# KiCad board handheld.kicad_pcb (continued)
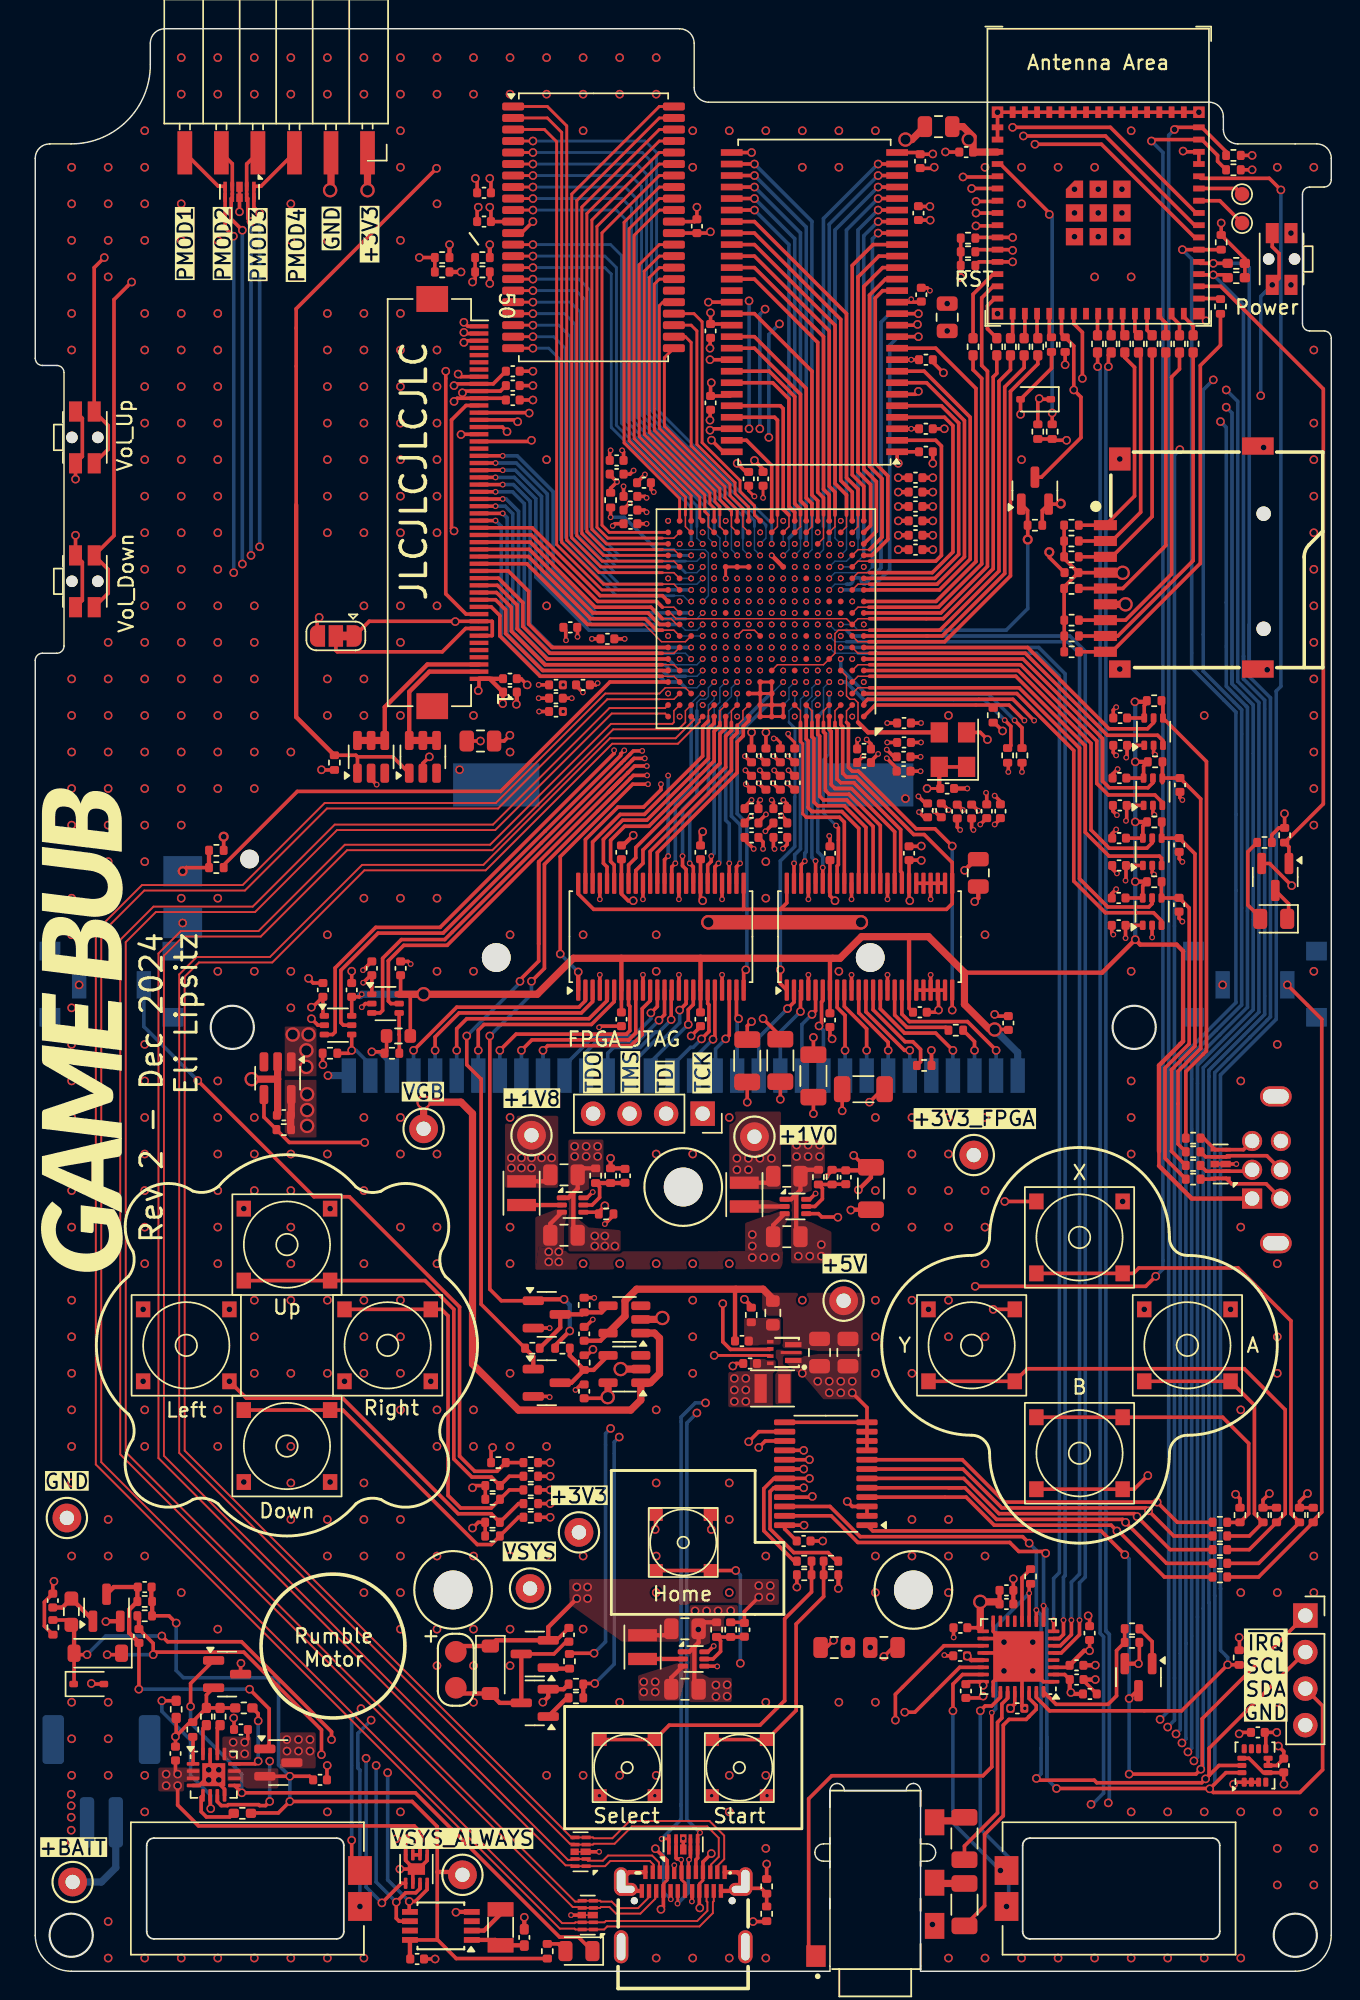
[diagram p0: board, top side]
## Placement (name value [footprint] x y rotation side) (continued)
U1402  IS61WV25616BLL-10TLI  [TSOP-II-44_10.16x18.41mm_P0.8mm]  38.81 121.2 0 top
U1501  LSM6DS3TR-C  [LGA-14_3x2.5mm_P0.5mm_LayoutBorder3x4y]  84.8 14.3 90 top
U1502  PCF8563T  [TSSOP-8_3x3mm_P0.65mm]  28.2 3.15 180 top
U1601  TCA9535PWR  [TSSOP-24_4.4x7.8mm_P0.65mm]  54.96 34.58 180 top
U1701  TLV320DAC3101  [VQFN-32-1EP_5x5mm_P0.5mm_EP3.5x3.5mm]  68.35 21.87 180 top
U1801  AP2191W  [SOT-23-5]  40.96 45.3 180 top
U1802  AP2191W  [SOT-23-5]  40.96 41.85 180 top
U1901  74LVC1T45  [SOT-363_SC-70-6]  24.35 67.25 0 top
U1902  74LVCH16T245  [TSSOP-48_6.1x12.5mm_P0.5mm]  43.5 71.9 90 top
U1903  74LVC1T45  [SOT-363_SC-70-6]  21.05 65.75 0 top
U1904  74LVCH16T245  [TSSOP-48_6.1x12.5mm_P0.5mm]  58 71.9 90 top
U2001  74LVC1T45  [SOT-363_SC-70-6]  77.65 73.64 90 top
U2002  74LVC1T45  [SOT-363_SC-70-6]  77.71 81.97 90 top
U2003  74LVC1T45  [SOT-363_SC-70-6]  77.66 77.8 90 top
U2004  74LVC1T45  [SOT-363_SC-70-6]  77.75 86.15 90 top
X701  YSO110TR 50MHz  [Oscillator_SMD_SeikoEpson_SG8002CE-4Pin_3.2x2.5mm]  63.8 84.9 90 top
Y1501  32.768kHz  [Crystal_SMD_3215-2Pin_3.2x1.5mm]  32.35 3.05 270 top

## Library data of the parts
C201 C206 C314 C401 C403 C702 C1301-C1305 C1401-C1407 C1410 C1411 C1501-C1504 C1601 C1702 C1704 C1706 C1708 C1710 C1712 C1801 C1802 C1901-C1913 C2004-C2011 = -: LCSC: C1525; ki_fp_filters: C_*
C202-C204 C605-C610 C623 C624 C805 C806 C905 C906 C1105 C1106 C1205 C1206 = -: LCSC: C23733; ki_fp_filters: C_*
C205 C304 C1408 C1409 C1701 C1703 C1709 C1711 = -: LCSC: C15525; ki_fp_filters: C_*
C207 = -: LCSC: C52923; ki_fp_filters: C_*
C301 C302 C308 C309 C311 C312 C622 C629 C701 = -: LCSC: C16780; ki_fp_filters: C_*
C303 C310 C313 C1505 = -: LCSC: C1555; ki_fp_filters: C_*
C305 = -: LCSC: C1537; ki_fp_filters: C_*
C306 C307 C402 C1705 C1707 = -: LCSC: C45783; ki_fp_filters: C_*
C601-C604 C619 C1713 C1714 = -: LCSC: C15008; ki_fp_filters: C_*
C611-C618 C620 C621 C625-C628 C801-C804 C901-C904 C1101-C1104 C1201-C1204 = -: LCSC: C47339; ki_fp_filters: C_*
C2001-C2003 = -: LCSC: C1546; ki_fp_filters: C_*
D201 = -: Color: Yellow; LCSC: C2296; ki_fp_filters: LED* LED_SMD:* LED_THT:*
D202 D203 = -: LCSC: C191023; V_forward: 0.60V; ki_fp_filters: TO-???* *_Diode_* *SingleDiode* D_*
D204 D1501 = -: Datasheet: https://www.vishay.com/docs/85748/1n4148w.pdf; LCSC: C81598; Sim.Device: D; Sim.Pins: 1=K 2=A; ki_fp_filters: D*SOD?123*
D401 = -: Color: Green; LCSC: C2297; ki_fp_filters: LED* LED_SMD:* LED_THT:*
D501-D503 D801 D2001 = -: Datasheet: https://datasheet.lcsc.com/lcsc/2306301553_hongjiacheng-H5VU25U_C7420374.pdf; LCSC: C7420374; ki_fp_filters: SOT?416*
H101-H103 = -: ki_fp_filters: MountingHole*
J201 J401 J701 J801 J1501 = -: ki_fp_filters: Connector*:*_1x??_*
J402 = -: Datasheet: https://datasheet.lcsc.com/lcsc/2306141351_G-Switch-GT-TF003-H0185-02_C5155564.pdf; LCSC: C5155564; ki_fp_filters: microSD*
J501 = -: Datasheet: https://www.usb.org/sites/default/files/documents/usb_type-c.zip; Description: USB Full-Featured Type-C Receptacle connector; LCSC: C2681555; ki_fp_filters: USB*C*Receptacle*
J1301 = -: LCSC: C598003; Field5: Pin numbers are reversed from Hirose datasheet.
J1701 J1702 = -: LCSC: C160402; ki_fp_filters: Connector*:*_1x??_*
J1703 = -: ki_fp_filters: Jack*
J1901 = -: Author: gekkio; ki_fp_filters: GameBoy?Cartridge*P1.50mm*
J2001 = -: Author: gekkio; ki_fp_filters: GameBoy?LinkPort*
JP1301 = -: ki_fp_filters: SolderJumper*Bridged12*
L301-L304 = -: LCSC: C98348; ki_fp_filters: Choke_* *Coil* Inductor_* L_*
Q201 Q203 Q401 Q1201 Q1502 Q1701 Q1801 Q1802 = -: Datasheet: http://www.aosmd.com/pdfs/datasheet/AO3400A.pdf; Description: 30V Vds, 5.7A Id, N-Channel MOSFET, SOT-23; LCSC: C20917; ki_fp_filters: SOT?23*
Q202 Q1501 = -: Datasheet: http://www.aosmd.com/pdfs/datasheet/AO3401A.pdf; Description: -4.0A Id, -30V Vds, P-Channel MOSFET, SOT-23; LCSC: C15127; ki_fp_filters: SOT?23*
R201 R2005-R2007 = -: LCSC: C25792; ki_fp_filters: R_*
R202 R203 R402 R406 R408-R411 R413-R419 = -: LCSC: C17168; ki_fp_filters: R_*
R204 R209 R301 R401 R403 R420-R427 R1203 R1301 R1501 R1504 R1601-R1630 R1704 R1801 R1803-R1805 = -: LCSC: C25744; ki_fp_filters: R_*
R205 = -: LCSC: C25860; ki_fp_filters: R_*
R206 R213 R801 R1502 R1503 R1702 = -: LCSC: C11702; ki_fp_filters: R_*
R207 R407 R1703 = -: LCSC: C25879; ki_fp_filters: R_*
R208 R210 R211 R303 R305 R311 R412 R1701 R1802 R1806 R1903 = -: LCSC: C25741; ki_fp_filters: R_*
R212 = -: LCSC: C23178; ki_fp_filters: R_*
R302 R308 R310 = -: LCSC: C25756; ki_fp_filters: R_*
R304 = -: LCSC: C22961; ki_fp_filters: R_*
R306 R307 R2008 = -: LCSC: C25776; ki_fp_filters: R_*
R309 = -: LCSC: C36871; ki_fp_filters: R_*
R404 R405 = -: LCSC: C25890; ki_fp_filters: R_*
R501 R502 = -: LCSC: C25905; ki_fp_filters: R_*
R701-R703 = -: LCSC: C25900; ki_fp_filters: R_*
R1201 R1202 R2001-R2004 = -: LCSC: C25104; ki_fp_filters: R_*
R1901 R1902 R1905 = -: LCSC: C25120; ki_fp_filters: R_*
R1904 = -: LCSC: C22967; ki_fp_filters: R_*
SW201 SW1614 SW1615 = -: LCSC: C115361
SW1601-SW1608 = -: LCSC: C97437
SW1609-SW1611 = -: LCSC: C115356
TP201-TP203 TP301-TP306 TP401 TP402 TP1801 = -: ki_fp_filters: Pin* Test*
U201 = -: Datasheet: https://www.analog.com/media/en/technical-documentation/data-sheets/MAX17048-MAX17049.pdf; LCSC: C2682616; ki_fp_filters: Maxim*WLP*1.595x1.415*Layout3x3*P0.4mm*
U202 = -: Datasheet: http://www.ti.com/lit/ds/symlink/bq24073.pdf; LCSC: C15220; ki_fp_filters: VQFN*1EP*3x3mm*P0.5mm*
U301 U303 U304 = -: Datasheet: https://www.ti.com/lit/ds/symlink/tlv62585.pdf; LCSC: C485118; ki_fp_filters: SOT?23*
U302 = -: Datasheet: https://www.ti.com/lit/ds/symlink/tps61022.pdf; LCSC: C915088; ki_fp_filters: WSON*1EP*2x2mm*P0.65mm*
U305 U1801 U1802 = -: Datasheet: https://www.diodes.com/assets/Datasheets/AP2181_91.pdf; LCSC: C141321; ki_fp_filters: SOT?23*
U401 = -: Datasheet: https://www.espressif.com/sites/default/files/documentation/esp32-s3-mini-1_mini-1u_datasheet_en.pdf; Description: Smallsized module supporting 2.4 GHz WiFi (802.11 b/g/n) and Bluetooth ® 5 (LE) Built around ESP32S3 series of SoCs, Xtensa ® dualcore 32bit LX7 microprocessor Flash up to 8 MB, optional 2 MB PSRAM in chip package 39 GPIOs, rich set of peripherals Onboard PCB antenna or external antenna connector; LCSC: C2913206
U601 = -: Datasheet: https://www.xilinx.com/support/documentation/data_sheets/ds180_7Series_Overview.pdf; LCSC: C1521791; ki_fp_filters: Xilinx*CSG324*
U1301 U1302 = -: Datasheet: https://www.diodes.com/assets/Datasheets/AP2502.pdf; LCSC: C460349
U1401 = -: Datasheet: https://www.winbond.com/resource-files/w9825g6kh_a04.pdf; LCSC: C62246; ki_fp_filters: TSOP?II*22.2x10.16mm*P0.8mm*
U1402 = -: Datasheet: https://www.issi.com/WW/pdf/61-64WV25616EDBLL.pdf; LCSC: C53825; ki_fp_filters: TSOP*10.16x18.41mm*P0.8mm*
U1501 = -: Datasheet: https://www.st.com/resource/en/datasheet/lsm6ds3tr-c.pdf; LCSC: C967633; ki_fp_filters: LGA*3x2.5mm*P0.5mm*LayoutBorder3x4y*
U1502 = -: Datasheet: https://www.nxp.com/docs/en/data-sheet/PCF8563.pdf; LCSC: C27397; ki_fp_filters: SOIC*3.9x4.9mm*P1.27mm*
U1601 = -: Datasheet: http://www.ti.com/lit/ds/symlink/tca9535.pdf; LCSC: C130204; ki_fp_filters: TSSOP*4.4x7.8mm*P0.65mm*
U1701 = -: Datasheet: https://www.ti.com/lit/ds/symlink/tlv320dac3101.pdf; LCSC: C2651664
U1901 U1903 U2001-U2004 = -: Datasheet: http://www.ti.com/lit/ds/symlink/sn74lvc1t45.pdf; LCSC: C168855; ki_fp_filters: *SC?70*
U1902 U1904 = -: Datasheet: https://www.ti.com/lit/ds/symlink/sn74lvch16t245.pdf; LCSC: C352975
X701 = -: Datasheet: https://www.yxcxtal.com/product/yso110tr.html; LCSC: C5203552; ki_fp_filters: Oscillator*Abracon*ASCO*1.6x1.2mm*
Y1501 = -: LCSC: C32346; Load capacitance: 12.5 pF; ki_fp_filters: Crystal*

## Footprints (pads in the part's own frame, mm; a bottom-side part is the same pattern mirrored in y, then rotated)
C_0402_1005Metric
  rrect 0.56x0.62 smd: 1(-0.48,0) 2(0.48,0)
C_0402_1005Metric_Pad0.74x0.62mm_HandSolder
  rrect 0.735x0.62 smd: 1(-0.568,0) 2(0.568,0)
C_0805_2012Metric
  rrect 1x1.45 smd: 1(-0.95,0) 2(0.95,0)
C_1206_3216Metric
  rrect 1.15x1.8 smd: 1(-1.475,0) 2(1.475,0)
Crystal_SMD_3215-2Pin_3.2x1.5mm
  rect 1x1.8 smd: 1(1.25,0) 2(-1.25,0)
D_SOD-123
  rrect 0.9x1.2 smd: 1(-1.65,0) 2(1.65,0)
D_SOD-323
  rrect 0.6x0.45 smd: 1(-1.05,0) 2(1.05,0)
Diodes_UDFN-10_1.0x2.5mm_P0.5mm
  rect 0.625x0.25 smd: 1(-0.388,1) 2(-0.388,0.5) 4(-0.388,-0.5) 5(-0.388,-1) 6(0.388,-1) 7(0.388,-0.5) 9(0.388,0.5) 10(0.388,1)
  rect 0.7x0.45 smd: 3(-0.35,0)
  rect 0.575x0.45 smd: 8(0.412,0)
ESP32-S3-MINI-1
  rect 0.8x0.4 smd: 1(-7,5.95) 2(-7,5.1) 3(-7,4.25) 4(-7,3.4) 5(-7,2.55) 6(-7,1.7) 7(-7,0.85) 8(-7,0) 9(-7,-0.85) 10(-7,-1.7) 11(-7,-2.55) 12(-7,-3.4) 13(-7,-4.25) 14(-7,-5.1) 15(-7,-5.95) 31(7,-5.95) 32(7,-5.1) 33(7,-4.25) 34(7,-3.4) 35(7,-2.55) 36(7,-1.7) 37(7,-0.85) 38(7,0) 39(7,0.85) 40(7,1.7) 41(7,2.55) 42(7,3.4) 43(7,4.25) 44(7,5.1) 45(7,5.95)
  rect 0.4x0.8 smd: 16(-5.95,-7) 17(-5.1,-7) 18(-4.25,-7) 19(-3.4,-7) 20(-2.55,-7) 21(-1.7,-7) 22(-0.85,-7) 23(0,-7) 24(0.85,-7) 25(1.7,-7) 26(2.55,-7) 27(3.4,-7) 28(4.25,-7) 29(5.1,-7) 30(5.95,-7) 46(5.95,7) 47(5.1,7) 48(4.25,7) 49(3.4,7) 50(2.55,7) 51(1.7,7) 52(0.85,7) 53(0,7) 54(-0.85,7) 55(-1.7,7) 56(-2.55,7) 57(-3.4,7) 58(-4.25,7) 59(-5.1,7) 60(-5.95,7)
  custom 1.2x1.2 smd: 61(-1.65,1.65)
  rect 1.2x1.2 smd: 61(-1.65,0) 61(-1.65,-1.65) 61(0,1.65) 61(0,0) 61(0,-1.65) 61(1.65,1.65) 61(1.65,0) 61(1.65,-1.65)
  rect 0.8x0.8 smd: 62(-7,7) 63(-7,-7) 64(7,-7) 65(7,7)
GameBoy_Cartridge_AGS_1x32-1MP_P1.50mm_Socket_Horizontal
  round 2 hole 2 unplated: (-13,-2.05) (13,-2.05)
  rect 1x2.4 smd: 1(-23.25,-10.25) 2(-21.75,-10.25) 3(-20.25,-10.25) 4(-18.75,-10.25) 5(-17.25,-10.25) 6(-15.75,-10.25) 7(-14.25,-10.25) 8(-12.75,-10.25) 9(-11.25,-10.25) 10(-9.75,-10.25) 11(-8.25,-10.25) 12(-6.75,-10.25) 13(-5.25,-10.25) 14(-3.75,-10.25) 15(-2.25,-10.25) 16(-0.75,-10.25) 17(0.75,-10.25) 18(2.25,-10.25) 19(3.75,-10.25) 20(5.25,-10.25) 21(6.75,-10.25) 22(8.25,-10.25) 23(9.75,-10.25) 24(11.25,-10.25) 25(12.75,-10.25) 26(14.25,-10.25) 27(15.75,-10.25) 28(17.25,-10.25) 29(18.75,-10.25) 30(20.25,-10.25) 31(21.75,-10.25) 32(23.25,-10.25)
  rect 6x3 smd: MP(-13,9.95) MP(13,9.95)
GameBoy_LinkPort_AGB_Horizontal
  rect 1.4x1.4 hole 1: 1(0,0)
  round 1.4 hole 1: 2(2,0) 3(0,-2) 4(2,-2) 5(0,-4) 6(2,-4)
  oval 2.2x1.4 hole 1.8x1: SH(1.651,-7.1) SH(1.651,3.1)
Hirose_FH12S-50S-0.5SH_1x50-1MP_P0.50mm_Horizontal_FLIPPED
  rect 0.3x1.3 smd: 1(12.25,1.85) 2(11.75,1.85) 3(11.25,1.85) 4(10.75,1.85) 5(10.25,1.85) 6(9.75,1.85) 7(9.25,1.85) 8(8.75,1.85) 9(8.25,1.85) 10(7.75,1.85) 11(7.25,1.85) 12(6.75,1.85) 13(6.25,1.85) 14(5.75,1.85) 15(5.25,1.85) 16(4.75,1.85) 17(4.25,1.85) 18(3.75,1.85) 19(3.25,1.85) 20(2.75,1.85) 21(2.25,1.85) 22(1.75,1.85) 23(1.25,1.85) 24(0.75,1.85) 25(0.25,1.85) 26(-0.25,1.85) 27(-0.75,1.85) 28(-1.25,1.85) 29(-1.75,1.85) 30(-2.25,1.85) 31(-2.75,1.85) 32(-3.25,1.85) 33(-3.75,1.85) 34(-4.25,1.85) 35(-4.75,1.85) 36(-5.25,1.85) 37(-5.75,1.85) 38(-6.25,1.85) 39(-6.75,1.85) 40(-7.25,1.85) 41(-7.75,1.85) 42(-8.25,1.85) 43(-8.75,1.85) 44(-9.25,1.85) 45(-9.75,1.85) 46(-10.25,1.85) 47(-10.75,1.85) 48(-11.25,1.85) 49(-11.75,1.85) 50(-12.25,1.85)
  rect 1.8x2.2 smd: MP(-14.15,-1.4) MP(14.15,-1.4)
Jack_3.5mm_CUI_SJ-43614-SMT
  rect 1.8x1.35 smd: R1(-0.2,-4.125) R2(-3.2,-4.125) T(4,-4.125)
  rect 1.5x1.35 smd: S(-5.3,4.125)
JJOV0UL650NONPRBK_SIDE
  round 1.3 hole 1.3 unplated: (7.3,1.3)
  rect 2.1x2.7 smd: 1(6.45,-3.35) 2(2.85,-3.35)
JST_PH_S2B-PH-SM4-TB_1x02-1MP_P2.00mm_Horizontal
  rrect 1x3.5 smd: 1(-1,2.85) 2(1,2.85)
  rrect 1.5x3.4 smd: MP(-3.35,-2.9) MP(3.35,-2.9)
L_Sunlord_SWPA252012S
  rect 0.85x2 smd: 1(-0.825,0) 2(0.825,0)
LED_0805_2012Metric
  rrect 0.975x1.4 smd: 1(-0.938,0) 2(0.938,0)
LGA-14_3x2.5mm_P0.5mm_LayoutBorder3x4y
  rrect 0.625x0.35 smd: 1(-1.163,0.75) 2(-1.163,0.25) 3(-1.163,-0.25) 4(-1.163,-0.75) 8(1.163,-0.75) 9(1.163,-0.25) 10(1.163,0.25) 11(1.163,0.75)
  rrect 0.35x0.625 smd: 5(-0.5,-0.912) 6(0,-0.912) 7(0.5,-0.912) 12(0.5,0.912) 13(0,0.912) 14(-0.5,0.912)
microSD_G-Switch_GT-TF003-H0185-02
  round 1 hole 1 unplated: (-4.95,-5.7) (3.05,-5.7)
  rect 0.7x1.6 smd: 1(2.25,5.3) 2(1.15,5.3) 3(0.05,5.3) 4(-1.05,5.3) 5(-2.15,5.3) 6(-3.25,5.3) 7(-4.35,5.3) 8(-5.45,5.3) 9(-6.55,5.3)
  rect 1.2x1.5 smd: 10(-7.75,4.3)
  rect 1.2x2.2 smd: 10(-7.75,-5.3) 10(7.75,-5.3)
  rect 1.6x1.5 smd: 10(6.85,4.3)
MountingHole_2.7mm_M2.5
  round 2.7 hole 2.7 unplated: (0,0)
Oscillator_SMD_SeikoEpson_SG8002CE-4Pin_3.2x2.5mm
  rect 1.4x1.2 smd: 1(-1.2,-0.95) 2(1.2,-0.95) 3(1.2,0.95) 4(-1.2,0.95)
PinSocket_1x04_P2.54mm_Vertical
  rect 1.7x1.7 hole 1: 1(0,0)
  oval 1.7x1.7 hole 1: 2(0,-2.54) 3(0,-5.08) 4(0,-7.62)
PinSocket_1x06_P2.54mm_Horizontal_SMD
  rect 3x1.02 smd: 1(0.57,0) 2(0.57,-2.54) 3(0.57,-5.08) 4(0.57,-7.62) 5(0.57,-10.16) 6(0.57,-12.7)
R_0402_1005Metric
  rrect 0.54x0.64 smd: 1(-0.51,0) 2(0.51,0)
R_0402_1005Metric_Pad0.72x0.64mm_HandSolder
  rrect 0.715x0.64 smd: 1(-0.598,0) 2(0.598,0)
R_0603_1608Metric
  rrect 0.8x0.95 smd: 1(-0.825,0) 2(0.825,0)
R_0603_1608Metric_Pad0.98x0.95mm_HandSolder
  rrect 0.975x0.95 smd: 1(-0.912,0) 2(0.912,0)
Rumble_Motor_Pads
  round 1.5 smd: 1(-1.25,0) 2(1.25,0)
SolderJumper-3_P1.3mm_Bridged12_RoundedPad1.0x1.5mm
  custom 1.05x1.5 smd: 1(-1.3,0) 3(1.3,0)
  rect 1x1.5 smd: 2(0,0)
SOT-23
  rrect 1.475x0.6 smd: 1(-0.938,0.95) 2(-0.938,-0.95) 3(0.938,0)
SOT-23-5
  rrect 1.325x0.6 smd: 1(-1.137,0.95) 2(-1.137,0) 3(-1.137,-0.95) 4(1.137,-0.95) 5(1.137,0.95)
SOT-23-6
  rrect 1.325x0.6 smd: 1(-1.137,0.95) 2(-1.137,0) 3(-1.137,-0.95) 4(1.137,-0.95) 5(1.137,0) 6(1.137,0.95)
SOT-363_SC-70-6
  rrect 0.65x0.4 smd: 1(-0.95,0.65) 2(-0.95,0) 3(-0.95,-0.65) 4(0.95,-0.65) 5(0.95,0) 6(0.95,0.65)
SOT-563
  rrect 0.7x0.34 smd: 1(-0.75,0.5) 2(-0.75,0) 3(-0.75,-0.5) 4(0.75,-0.5) 5(0.75,0) 6(0.75,0.5)
Speaker_Same_Sky_CMS-160903-18S-X8
  rect 1.65x2 smd: 1(-7.825,1.25) 2(-7.825,-1.25)
SW_SPST_SKRB
  rect 1x0.9 smd: 1(-1.925,1.95) 1(1.925,1.95) 2(-1.925,-1.95) 2(1.925,-1.95)
SW_SPST_SKRR
  rect 1x1.1 smd: 1(-3,2.5) 1(3,2.5) 2(-3,-2.5) 2(3,-2.5)
SW_SPST_SKSC
  round 0.8 hole 0.8 unplated: (0,0.9) (0,-0.9)
  rect 1.4x0.9 smd: 1(-1.8,0.65) 1(1.8,0.65) 2(-1.8,-0.65) 2(1.8,-0.65)
SW_Tactile_SPST_PTS645Vxx13SMT
  rect 1.45x1.3 smd: (-4.275,-2.25) (-4.275,2.35) (4.275,-2.25) (4.275,2.35)
  rect 1x1.9 smd: 1(-2.25,0) 2(2.25,0)
TDFN-8-1EP_2x2mm_P0.5mm_EP0.8x1.2mm
  rrect 0.32x0.48 smd: (-0.2,0.3) (-0.2,-0.3) (0.2,0.3) (0.2,-0.3)
  rrect 0.775x0.25 smd: 1(-0.988,0.75) 2(-0.988,0.25) 3(-0.988,-0.25) 4(-0.988,-0.75) 5(0.988,-0.75) 6(0.988,-0.25) 7(0.988,0.25) 8(0.988,0.75)
  rect 0.8x1.2 smd: 9(0,0)
TestPoint_2.54mm_THT
  round 2 hole 1: 1(0,0)
TestPoint_Pad_D1.0mm
  round 1 smd: 1(0,0)
TSOP-II-44_10.16x18.41mm_P0.8mm
  rrect 1.525x0.55 smd: 1(-5.588,8.4) 2(-5.588,7.6) 3(-5.588,6.8) 4(-5.588,6) 5(-5.588,5.2) 6(-5.588,4.4) 7(-5.588,3.6) 8(-5.588,2.8) 9(-5.588,2) 10(-5.588,1.2) 11(-5.588,0.4) 12(-5.588,-0.4) 13(-5.588,-1.2) 14(-5.588,-2) 15(-5.588,-2.8) 16(-5.588,-3.6) 17(-5.588,-4.4) 18(-5.588,-5.2) 19(-5.588,-6) 20(-5.588,-6.8) 21(-5.588,-7.6) 22(-5.588,-8.4) 23(5.588,-8.4) 24(5.588,-7.6) 25(5.588,-6.8) 26(5.588,-6) 27(5.588,-5.2) 28(5.588,-4.4) 29(5.588,-3.6) 30(5.588,-2.8) 31(5.588,-2) 32(5.588,-1.2) 33(5.588,-0.4) 34(5.588,0.4) 35(5.588,1.2) 36(5.588,2) 37(5.588,2.8) 38(5.588,3.6) 39(5.588,4.4) 40(5.588,5.2) 41(5.588,6) 42(5.588,6.8) 43(5.588,7.6) 44(5.588,8.4)
TSOP-II-54_22.2x10.16mm_P0.8mm
  rect 1.51x0.458 smd: 1(-5.75,10.4) 2(-5.75,9.6) 3(-5.75,8.8) 4(-5.75,8) 5(-5.75,7.2) 6(-5.75,6.4) 7(-5.75,5.6) 8(-5.75,4.8) 9(-5.75,4) 10(-5.75,3.2) 11(-5.75,2.4) 12(-5.75,1.6) 13(-5.75,0.8) 14(-5.75,0) 15(-5.75,-0.8) 16(-5.75,-1.6) 17(-5.75,-2.4) 18(-5.75,-3.2) 19(-5.75,-4) 20(-5.75,-4.8) 21(-5.75,-5.6) 22(-5.75,-6.4) 23(-5.75,-7.2) 24(-5.75,-8) 25(-5.75,-8.8) 26(-5.75,-9.6) 27(-5.75,-10.4) 28(5.75,-10.4) 29(5.75,-9.6) 30(5.75,-8.8) 31(5.75,-8) 32(5.75,-7.2) 33(5.75,-6.4) 34(5.75,-5.6) 35(5.75,-4.8) 36(5.75,-4) 37(5.75,-3.2) 38(5.75,-2.4) 39(5.75,-1.6) 40(5.75,-0.8) 41(5.75,0) 42(5.75,0.8) 43(5.75,1.6) 44(5.75,2.4) 45(5.75,3.2) 46(5.75,4) 47(5.75,4.8) 48(5.75,5.6) 49(5.75,6.4) 50(5.75,7.2) 51(5.75,8) 52(5.75,8.8) 53(5.75,9.6) 54(5.75,10.4)
TSSOP-8_3x3mm_P0.65mm
  rect 1.1x0.4 smd: 1(-2.15,0.975) 2(-2.15,0.325) 3(-2.15,-0.325) 4(-2.15,-0.975) 5(2.15,-0.975) 6(2.15,-0.325) 7(2.15,0.325) 8(2.15,0.975)
TSSOP-24_4.4x7.8mm_P0.65mm
  rrect 1.475x0.4 smd: 1(-2.862,3.575) 2(-2.862,2.925) 3(-2.862,2.275) 4(-2.862,1.625) 5(-2.862,0.975) 6(-2.862,0.325) 7(-2.862,-0.325) 8(-2.862,-0.975) 9(-2.862,-1.625) 10(-2.862,-2.275) 11(-2.862,-2.925) 12(-2.862,-3.575) 13(2.862,-3.575) 14(2.862,-2.925) 15(2.862,-2.275) 16(2.862,-1.625) 17(2.862,-0.975) 18(2.862,-0.325) 19(2.862,0.325) 20(2.862,0.975) 21(2.862,1.625) 22(2.862,2.275) 23(2.862,2.925) 24(2.862,3.575)
TSSOP-48_6.1x12.5mm_P0.5mm
  rrect 1.475x0.3 smd: 1(-3.712,5.75) 2(-3.712,5.25) 3(-3.712,4.75) 4(-3.712,4.25) 5(-3.712,3.75) 6(-3.712,3.25) 7(-3.712,2.75) 8(-3.712,2.25) 9(-3.712,1.75) 10(-3.712,1.25) 11(-3.712,0.75) 12(-3.712,0.25) 13(-3.712,-0.25) 14(-3.712,-0.75) 15(-3.712,-1.25) 16(-3.712,-1.75) 17(-3.712,-2.25) 18(-3.712,-2.75) 19(-3.712,-3.25) 20(-3.712,-3.75) 21(-3.712,-4.25) 22(-3.712,-4.75) 23(-3.712,-5.25) 24(-3.712,-5.75) 25(3.712,-5.75) 26(3.712,-5.25) 27(3.712,-4.75) 28(3.712,-4.25) 29(3.712,-3.75) 30(3.712,-3.25) 31(3.712,-2.75) 32(3.712,-2.25) 33(3.712,-1.75) 34(3.712,-1.25) 35(3.712,-0.75) 36(3.712,-0.25) 37(3.712,0.25) 38(3.712,0.75) 39(3.712,1.25) 40(3.712,1.75) 41(3.712,2.25) 42(3.712,2.75) 43(3.712,3.25) 44(3.712,3.75) 45(3.712,4.25) 46(3.712,4.75) 47(3.712,5.25) 48(3.712,5.75)
USB-C-SMD_TYPE-C-24P-QT
  round 0.5 hole 0.5 unplated: (-3.4,0.61) (3.4,0.61)
  rect 0.3x0.95 smd: A1(-2.63,2.59) A2(-2.12,2.59) A3(-1.63,2.59) A4(-1.12,2.59) A5(-0.63,2.59) A6(-0.12,2.59) A7(0.37,2.59) A8(0.88,2.59) A9(1.37,2.59) A10(1.88,2.59) A11(2.37,2.59) A12(2.88,2.59) B1(2.62,1.29) B2(2.12,1.29) B3(1.62,1.29) B4(1.12,1.29) B5(0.62,1.29) B6(0.12,1.29) B7(-0.38,1.29) B8(-0.88,1.29) B9(-1.38,1.29) B10(-1.88,1.29) B11(-2.38,1.29) B12(-2.88,1.29)
  oval 1x1.95 hole 0.6x1.6: S1(-4.32,1.96) S1(4.32,1.96)
  oval 1x2.3 hole 0.6x1.9: S1(-4.32,-2.59) S1(4.32,-2.59)
  oval 1.6x0.9 hole 1.2x0.5: S1(-3.97,1.4) S1(3.97,1.4)
VQFN-7_L2.0-W2.0-P0.55-TL_RWU
  rect 1.15x0.35 smd: 1(-0.625,0.55) 3(-0.625,-0.55)
  rect 1.45x0.2 smd: 2(-0.475,0)
  rect 0.45x0.25 smd: 4(0.975,-0.75) 5(0.975,-0.25) 6(0.975,0.25) 7(0.975,0.75)
VQFN-16-1EP_3x3mm_P0.5mm_EP1.6x1.6mm
  rrect 0.64x0.64 smd: (-0.4,0.4) (-0.4,-0.4) (0.4,0.4) (0.4,-0.4)
  rrect 0.875x0.25 smd: 1(-1.438,0.75) 2(-1.438,0.25) 3(-1.438,-0.25) 4(-1.438,-0.75) 9(1.438,-0.75) 10(1.438,-0.25) 11(1.438,0.25) 12(1.438,0.75)
  rrect 0.25x0.875 smd: 5(-0.75,-1.438) 6(-0.25,-1.438) 7(0.25,-1.438) 8(0.75,-1.438) 13(0.75,1.438) 14(0.25,1.438) 15(-0.25,1.438) 16(-0.75,1.438)
  rect 1.6x1.6 smd: 17(0,0)
VQFN-32-1EP_5x5mm_P0.5mm_EP3.5x3.5mm
  rrect 1.41x1.41 smd: (-0.875,0.875) (-0.875,-0.875) (0.875,0.875) (0.875,-0.875)
  rrect 0.8x0.25 smd: 1(-2.45,1.75) 2(-2.45,1.25) 3(-2.45,0.75) 4(-2.45,0.25) 5(-2.45,-0.25) 6(-2.45,-0.75) 7(-2.45,-1.25) 8(-2.45,-1.75) 17(2.45,-1.75) 18(2.45,-1.25) 19(2.45,-0.75) 20(2.45,-0.25) 21(2.45,0.25) 22(2.45,0.75) 23(2.45,1.25) 24(2.45,1.75)
  rrect 0.25x0.8 smd: 9(-1.75,-2.45) 10(-1.25,-2.45) 11(-0.75,-2.45) 12(-0.25,-2.45) 13(0.25,-2.45) 14(0.75,-2.45) 15(1.25,-2.45) 16(1.75,-2.45) 25(1.75,2.45) 26(1.25,2.45) 27(0.75,2.45) 28(0.25,2.45) 29(-0.25,2.45) 30(-0.75,2.45) 31(-1.25,2.45) 32(-1.75,2.45)
  rect 3.5x3.5 smd: 33(0,0)
Xilinx_CSG324
  round 0.4 smd: A1(-6.8,6.8) A2(-6,6.8) A3(-5.2,6.8) A4(-4.4,6.8) A5(-3.6,6.8) A6(-2.8,6.8) A7(-2,6.8) A8(-1.2,6.8) A9(-0.4,6.8) A10(0.4,6.8) A11(1.2,6.8) A12(2,6.8) A13(2.8,6.8) A14(3.6,6.8) A15(4.4,6.8) A16(5.2,6.8) A17(6,6.8) A18(6.8,6.8) B1(-6.8,6) B2(-6,6) B3(-5.2,6) B4(-4.4,6) B5(-3.6,6) B6(-2.8,6) B7(-2,6) B8(-1.2,6) B9(-0.4,6) B10(0.4,6) B11(1.2,6) B12(2,6) B13(2.8,6) B14(3.6,6) B15(4.4,6) B16(5.2,6) B17(6,6) B18(6.8,6) C1(-6.8,5.2) C2(-6,5.2) C3(-5.2,5.2) C4(-4.4,5.2) C5(-3.6,5.2) C6(-2.8,5.2) C7(-2,5.2) C8(-1.2,5.2) C9(-0.4,5.2) C10(0.4,5.2) C11(1.2,5.2) C12(2,5.2) C13(2.8,5.2) C14(3.6,5.2) C15(4.4,5.2) C16(5.2,5.2) C17(6,5.2) C18(6.8,5.2) D1(-6.8,4.4) D2(-6,4.4) D3(-5.2,4.4) D4(-4.4,4.4) D5(-3.6,4.4) D6(-2.8,4.4) D7(-2,4.4) D8(-1.2,4.4) D9(-0.4,4.4) D10(0.4,4.4) D11(1.2,4.4) D12(2,4.4) D13(2.8,4.4) D14(3.6,4.4) D15(4.4,4.4) D16(5.2,4.4) D17(6,4.4) D18(6.8,4.4) E1(-6.8,3.6) E2(-6,3.6) E3(-5.2,3.6) E4(-4.4,3.6) E5(-3.6,3.6) E6(-2.8,3.6) E7(-2,3.6) E8(-1.2,3.6) E9(-0.4,3.6) E10(0.4,3.6) E11(1.2,3.6) E12(2,3.6) E13(2.8,3.6) E14(3.6,3.6) E15(4.4,3.6) E16(5.2,3.6) E17(6,3.6) E18(6.8,3.6) F1(-6.8,2.8) F2(-6,2.8) F3(-5.2,2.8) F4(-4.4,2.8) F5(-3.6,2.8) F6(-2.8,2.8) F7(-2,2.8) F8(-1.2,2.8) F9(-0.4,2.8) F10(0.4,2.8) F11(1.2,2.8) F12(2,2.8) F13(2.8,2.8) F14(3.6,2.8) F15(4.4,2.8) F16(5.2,2.8) F17(6,2.8) F18(6.8,2.8) G1(-6.8,2) G2(-6,2) G3(-5.2,2) G4(-4.4,2) G5(-3.6,2) G6(-2.8,2) G7(-2,2) G8(-1.2,2) G9(-0.4,2) G10(0.4,2) G11(1.2,2) G12(2,2) G13(2.8,2) G14(3.6,2) G15(4.4,2) G16(5.2,2) G17(6,2) G18(6.8,2) H1(-6.8,1.2) H2(-6,1.2) H3(-5.2,1.2) H4(-4.4,1.2) H5(-3.6,1.2) H6(-2.8,1.2) H7(-2,1.2) H8(-1.2,1.2) H9(-0.4,1.2) H10(0.4,1.2) H11(1.2,1.2) H12(2,1.2) H13(2.8,1.2) H14(3.6,1.2) H15(4.4,1.2) H16(5.2,1.2) H17(6,1.2) H18(6.8,1.2) J1(-6.8,0.4) J2(-6,0.4) J3(-5.2,0.4) J4(-4.4,0.4) J5(-3.6,0.4) J6(-2.8,0.4) J7(-2,0.4) J8(-1.2,0.4) J9(-0.4,0.4) J10(0.4,0.4) J11(1.2,0.4) J12(2,0.4) J13(2.8,0.4) J14(3.6,0.4) J15(4.4,0.4) J16(5.2,0.4) J17(6,0.4) J18(6.8,0.4) K1(-6.8,-0.4) K2(-6,-0.4) K3(-5.2,-0.4) K4(-4.4,-0.4) K5(-3.6,-0.4) K6(-2.8,-0.4) K7(-2,-0.4) K8(-1.2,-0.4) K9(-0.4,-0.4) K10(0.4,-0.4) K11(1.2,-0.4) K12(2,-0.4) K13(2.8,-0.4) K14(3.6,-0.4) K15(4.4,-0.4) K16(5.2,-0.4) K17(6,-0.4) K18(6.8,-0.4) L1(-6.8,-1.2) L2(-6,-1.2) L3(-5.2,-1.2) L4(-4.4,-1.2) L5(-3.6,-1.2) L6(-2.8,-1.2) L7(-2,-1.2) L8(-1.2,-1.2) L9(-0.4,-1.2) L10(0.4,-1.2) L11(1.2,-1.2) L12(2,-1.2) L13(2.8,-1.2) L14(3.6,-1.2) L15(4.4,-1.2) L16(5.2,-1.2) L17(6,-1.2) L18(6.8,-1.2) M1(-6.8,-2) M2(-6,-2) M3(-5.2,-2) M4(-4.4,-2) M5(-3.6,-2) M6(-2.8,-2) M7(-2,-2) M8(-1.2,-2) M9(-0.4,-2) M10(0.4,-2) M11(1.2,-2) M12(2,-2) M13(2.8,-2) M14(3.6,-2) M15(4.4,-2) M16(5.2,-2) M17(6,-2) M18(6.8,-2) N1(-6.8,-2.8) N2(-6,-2.8) N3(-5.2,-2.8) N4(-4.4,-2.8) N5(-3.6,-2.8) N6(-2.8,-2.8) N7(-2,-2.8) N8(-1.2,-2.8) N9(-0.4,-2.8) N10(0.4,-2.8) N11(1.2,-2.8) N12(2,-2.8) N13(2.8,-2.8) N14(3.6,-2.8) N15(4.4,-2.8) N16(5.2,-2.8) N17(6,-2.8) N18(6.8,-2.8) P1(-6.8,-3.6) P2(-6,-3.6) P3(-5.2,-3.6) P4(-4.4,-3.6) P5(-3.6,-3.6) P6(-2.8,-3.6) P7(-2,-3.6) P8(-1.2,-3.6) P9(-0.4,-3.6) P10(0.4,-3.6) P11(1.2,-3.6) P12(2,-3.6) P13(2.8,-3.6) P14(3.6,-3.6) P15(4.4,-3.6) P16(5.2,-3.6) P17(6,-3.6) P18(6.8,-3.6) R1(-6.8,-4.4) R2(-6,-4.4) R3(-5.2,-4.4) R4(-4.4,-4.4) R5(-3.6,-4.4) R6(-2.8,-4.4) R7(-2,-4.4) R8(-1.2,-4.4) R9(-0.4,-4.4) R10(0.4,-4.4) R11(1.2,-4.4) R12(2,-4.4) R13(2.8,-4.4) R14(3.6,-4.4) R15(4.4,-4.4) R16(5.2,-4.4) R17(6,-4.4) R18(6.8,-4.4) T1(-6.8,-5.2) T2(-6,-5.2) T3(-5.2,-5.2) T4(-4.4,-5.2) T5(-3.6,-5.2) T6(-2.8,-5.2) T7(-2,-5.2) T8(-1.2,-5.2) T9(-0.4,-5.2) T10(0.4,-5.2) T11(1.2,-5.2) T12(2,-5.2) T13(2.8,-5.2) T14(3.6,-5.2) T15(4.4,-5.2) T16(5.2,-5.2) T17(6,-5.2) T18(6.8,-5.2) U1(-6.8,-6) U2(-6,-6) U3(-5.2,-6) U4(-4.4,-6) U5(-3.6,-6) U6(-2.8,-6) U7(-2,-6) U8(-1.2,-6) U9(-0.4,-6) U10(0.4,-6) U11(1.2,-6) U12(2,-6) U13(2.8,-6) U14(3.6,-6) U15(4.4,-6) U16(5.2,-6) U17(6,-6) U18(6.8,-6) V1(-6.8,-6.8) V2(-6,-6.8) V3(-5.2,-6.8) V4(-4.4,-6.8) V5(-3.6,-6.8) V6(-2.8,-6.8) V7(-2,-6.8) V8(-1.2,-6.8) V9(-0.4,-6.8) V10(0.4,-6.8) V11(1.2,-6.8) V12(2,-6.8) V13(2.8,-6.8) V14(3.6,-6.8) V15(4.4,-6.8) V16(5.2,-6.8) V17(6,-6.8) V18(6.8,-6.8)

## Nets
+1V0: C301.1 C303.2 C601.1 C602.1 C603.1 C604.1 C605.1 C606.1 C607.1 C608.1 C609.1 C610.1 C611.1 C612.1 C613.1 C614.1 C615.1 C616.1 C617.1 C618.1 C619.1 C620.1 C621.1 L301.2 R301.1 TP301.1 U601.F8 U601.F10 U601.G7 U601.G9 U601.G11 U601.H8 U601.J7 U601.J11 U601.K8 U601.L7 U601.L11 U601.M8 U601.M10 U601.N7 U601.N9 U601.N11
+1V8: C308.1 C310.2 C622.1 C623.1 C624.1 C625.1 C626.1 C627.1 C628.1 C1709.1 C1710.2 L303.2 R306.1 TP302.1 U601.F12 U601.H10 U601.H12 U601.K12 U601.M12 U1701.3
+3V3: C311.1 C313.2 C314.2 C401.2 C402.1 C403.2 C1301.2 C1302.2 C1303.2 C1304.2 C1305.2 C1501.1 C1502.2 C1503.2 C1601.1 C1701.1 C1702.2 C1703.1 C1704.2 C1711.1 C1712.2 C1802.2 D202.1 D1501.1 J402.4 J1301.1 J1301.7 J1301.9 J1301.40 J1301.41 J1301.42 J1501.1 JP1301.1 L304.2 Q1501.2 R208.1 R309.1 R311.1 R401.1 R403.1 R404.1 R405.1 R407.1 R412.1 R420.1 R421.1 R422.1 R423.1 R424.1 R425.1 R426.2 R1601.1 R1602.1 R1605.1 R1606.1 R1607.1 R1608.1 R1613.1 R1614.1 R1617.1 R1618.1 R1619.1 R1623.1 R1625.1 R1626.1 R1629.1 TP303.1 U305.5 U401.3 U1501.5 U1501.8 U1501.12 U1601.24 U1701.2 U1701.17 U1701.28 U1802.5
+3V3_FPGA: C629.1 C701.1 C702.2 C801.1 C802.1 C803.1 C804.1 C805.1 C806.1 C901.1 C902.1 C903.1 C904.1 C905.1 C906.1 C1101.1 C1102.1 C1103.1 C1104.1 C1105.1 C1106.1 C1201.1 C1202.1 C1203.1 C1204.1 C1205.1 C1206.1 C1401.2 C1402.2 C1403.2 C1404.2 C1405.2 C1406.2 C1407.2 C1408.1 C1409.1 C1410.2 C1411.2 C1903.2 C1904.2 C1906.2 C1909.2 C1912.2 C1913.2 C2005.2 C2007.2 C2009.2 C2011.2 J801.1 R701.2 R702.2 R703.2 R801.2 R1501.1 R1903.1 SW1801.2 TP305.1 U305.1 U601.A7 U601.A17 U601.C3 U601.C13 U601.D6 U601.D16 U601.F2 U601.G5 U601.G15 U601.H18 U601.J1 U601.K4 U601.K14 U601.L17 U601.N3 U601.N13 U601.P6 U601.P8 U601.P11 U601.P12 U601.P13 U601.P16 U601.R9 U601.T2 U601.T12 U601.U5 U601.U15 U601.V8 U601.V18 U1401.1 U1401.3 U1401.9 U1401.14 U1401.27 U1401.43 U1401.49 U1402.11 U1402.33 U1901.1 U1902.31 U1902.42 U1903.1 U1904.31 U1904.42 U2001.1 U2002.1 U2003.1 U2004.1 X701.1 X701.4
+3V3_PG: R401.2 U304.6 U401.45
+5V: C305.2 C306.1 C307.1 C1801.2 R304.1 TP304.1 U302.3 U1801.5
/Power Regulators/+1V0_PG: R303.2 U301.6 U303.4
/Power Regulators/+1V8_PG: R311.2 U303.6 U305.4
GND: C201.1 C202.2 C203.2 C204.2 C301.2 C302.2 C304.2 C306.2 C307.2 C308.2 C309.2 C311.2 C312.2 C314.1 C401.1 C402.2 C403.1 C601.2 C602.2 C603.2 C604.2 C605.2 C606.2 C607.2 C608.2 C609.2 C610.2 C611.2 C612.2 C613.2 C614.2 C615.2 C616.2 C617.2 C618.2 C619.2 C620.2 C621.2 C622.2 C623.2 C624.2 C625.2 C626.2 C627.2 C628.2 C629.2 C701.2 C702.1 C801.2 C802.2 C803.2 C804.2 C805.2 C806.2 C901.2 C902.2 C903.2 C904.2 C905.2 C906.2 C1101.2 C1102.2 C1103.2 C1104.2 C1105.2 C1106.2 C1201.2 C1202.2 C1203.2 C1204.2 C1205.2 C1206.2 C1301.1 C1302.1 C1303.1 C1304.1 C1305.1 C1401.1 C1402.1 C1403.1 C1404.1 C1405.1 C1406.1 C1407.1 C1408.2 C1409.2 C1410.1 C1411.1 C1501.2 C1502.1 C1504.1 C1505.1 C1601.2 C1701.2 C1702.1 C1703.2 C1704.1 C1705.2 C1706.1 C1707.2 C1708.1 C1709.2 C1710.1 C1711.2 C1712.1 C1801.1 C1802.1 C1901.1 C1902.1 C1903.1 C1904.1 C1905.1 C1906.1 C1907.1 C1908.1 C1909.1 C1910.1 C1911.1 C1912.1 C1913.1 C2001.2 C2002.2 C2003.2 C2004.1 C2005.1 C2006.1 C2007.1 C2008.1 C2009.1 C2010.1 C2011.1 D203.2 D501.3 D501.8 D502.3 D502.8 D503.3 D503.8 D801.3 D801.8 D2001.3 D2001.8 J201.1 J401.4 J402.6 J402.10 J501.A1 J501.A12 J501.B1 J501.B12 J501.S1 J801.2 J1301.35 J1301.43 J1301.48 J1301.49 J1301.50 J1703.R2 J1901.32 J1901.MP J2001.6 J2001.SH JP1301.3 Q201.2 Q203.2 Q401.2 Q1201.2 Q1502.2 Q1701.2 Q1801.2 Q1802.2 R201.2 R202.1 R204.2 R205.2 R206.1 R302.2 R305.2 R307.2 R308.2 R310.2 R501.2 R502.2 R1203.2 R1301.2 R1504.2 R1701.2 R1704.2 R1802.1 R1805.2 R1806.1 SW201.2 SW1601.2 SW1602.2 SW1603.2 SW1604.2 SW1605.2 SW1606.2 SW1607.2 SW1608.2 SW1609.2 SW1610.2 SW1611.2 SW1612.2 SW1613.2 SW1614.2 SW1615.2 TP306.1 U201.1 U201.4 U201.6 U201.9 U202.4 U202.8 U202.15 U202.17 U301.1 U302.1 U302.6 U303.1 U304.1 U305.2 U401.1 U401.2 U401.42 U401.43 U401.46 U401.47 U401.48 U401.49 U401.50 U401.51 U401.52 U401.53 U401.54 U401.55 U401.56 U401.57 U401.58 U401.59 U401.60 U401.61 U401.62 U401.63 U401.64 U401.65 U601.A2 U601.A12 U601.B5 U601.B15 U601.C8 U601.C18 U601.D1 U601.D11 U601.E4 U601.E8 U601.E14 U601.F7 U601.F9 U601.F11 U601.F17 U601.G8 U601.G10 U601.G12 U601.H3 U601.H7 U601.H9 U601.H11 U601.H13 U601.J6 U601.J8 U601.J9 U601.J10 U601.J12 U601.J16 U601.K7 U601.K9 U601.K10 U601.K11 U601.L2 U601.L8 U601.L9 U601.L10 U601.L12 U601.M5 U601.M7 U601.M9 U601.M11 U601.M15 U601.N8 U601.N10 U601.N12 U601.N18 U601.P1 U601.R4 U601.R14 U601.T7 U601.T17 U601.U10 U601.V3 U601.V13 U1301.2 U1302.2 U1401.6 U1401.12 U1401.28 U1401.41 U1401.46 U1401.52 U1401.54 U1402.12 U1402.34 U1501.1 U1501.2 U1501.3 U1501.6 U1501.7 U1502.4 U1601.2 U1601.3 U1601.9 U1601.10 U1601.11 U1601.12 U1601.13 U1601.21 U1701.1 U1701.16 U1701.18 U1701.20 U1701.25 U1701.29 U1701.33 U1801.2 U1802.2 U1901.2 U1902.4 U1902.10 U1902.15 U1902.21 U1902.28 U1902.34 U1902.39 U1902.45 U1903.2 U1904.4 U1904.10 U1904.15 U1904.19 U1904.20 U1904.21 U1904.22 U1904.23 U1904.26 U1904.27 U1904.28 U1904.29 U1904.30 U1904.34 U1904.39 U1904.45 U2001.2 U2002.2 U2003.2 U2004.2 X701.2
VBUS: C202.1 J501.A4 J501.A9 J501.B4 J501.B9 U202.13
+BATT: C201.2 C204.1 J201.2 TP201.1 U201.2 U201.3 U202.2 U202.3
/Audio/DAC_INT: R1702.2 R1704.1 U1701.32
/Audio/DAC_INT_R: Q1701.1 R1702.1
/Audio/Headphone_Jack_R: C1713.2 J1703.R1
/Audio/Headphone_Left: C1714.1 U1701.27
/Audio/Headphone_Mic: J1703.S R1703.2 U1701.11
/Audio/Headphone_Right: C1713.1 U1701.30
/Audio/HeadphoneJack_Tip: C1714.2 J1703.T
/Audio/MICBIAS: R1703.1 U1701.12
/Audio/Speaker_Left_M: J1701.1 U1701.19
/Audio/Speaker_Left_P: J1701.2 U1701.22
/Audio/Speaker_Right_M: J1702.1 U1701.23
/Audio/Speaker_Right_P: J1702.2 U1701.26
/Buttons/BTN_A_s: R1608.2 R1612.2 SW1606.1
/Buttons/BTN_B_s: R1614.2 R1616.2 SW1608.1
/Buttons/BTN_Down_s: R1613.2 R1615.2 SW1607.1
/Buttons/BTN_Home_s: R1618.2 R1621.2 SW1610.1
/Buttons/BTN_L_s: R1623.2 R1624.2 SW1612.1
/Buttons/BTN_Left_s: R1605.2 R1609.2 SW1603.1
/Buttons/BTN_R_s: R1625.2 R1627.2 SW1613.1
/Buttons/BTN_Right_s: R1606.2 R1610.2 SW1604.1
/Buttons/BTN_Select_s: R1617.2 R1620.2 SW1609.1
/Buttons/BTN_Start_s: R1619.2 R1622.2 SW1611.1
/Buttons/BTN_Up_s: R1601.2 R1603.2 SW1601.1
/Buttons/BTN_Vol_Down_s: R1629.2 R1630.2 SW1615.1
/Buttons/BTN_Vol_Up_s: R1626.2 R1628.2 SW1614.1
/Buttons/BTN_X_s: R1602.2 R1604.2 SW1602.1
/Buttons/BTN_Y_s: R1607.2 R1611.2 SW1605.1
/ESP32-S3/ESP32_RX: TP402.1 U401.40
